# Altium PCB UmTRXv2.PcbDoc (part 4 of 25)
Units mm, origin at the board's own origin, x right, y up, seen from the top; angles counter-clockwise.
Board outline 159.5 x 99.5 mm, 6 copper layers (Top Layer, GND, MidLayer1, Mid-Layer 2, InternalPlane2, Bottom Layer), stack 1.526 mm thick; 708 components, 578 nets, 2802 pads, 1408 vias.
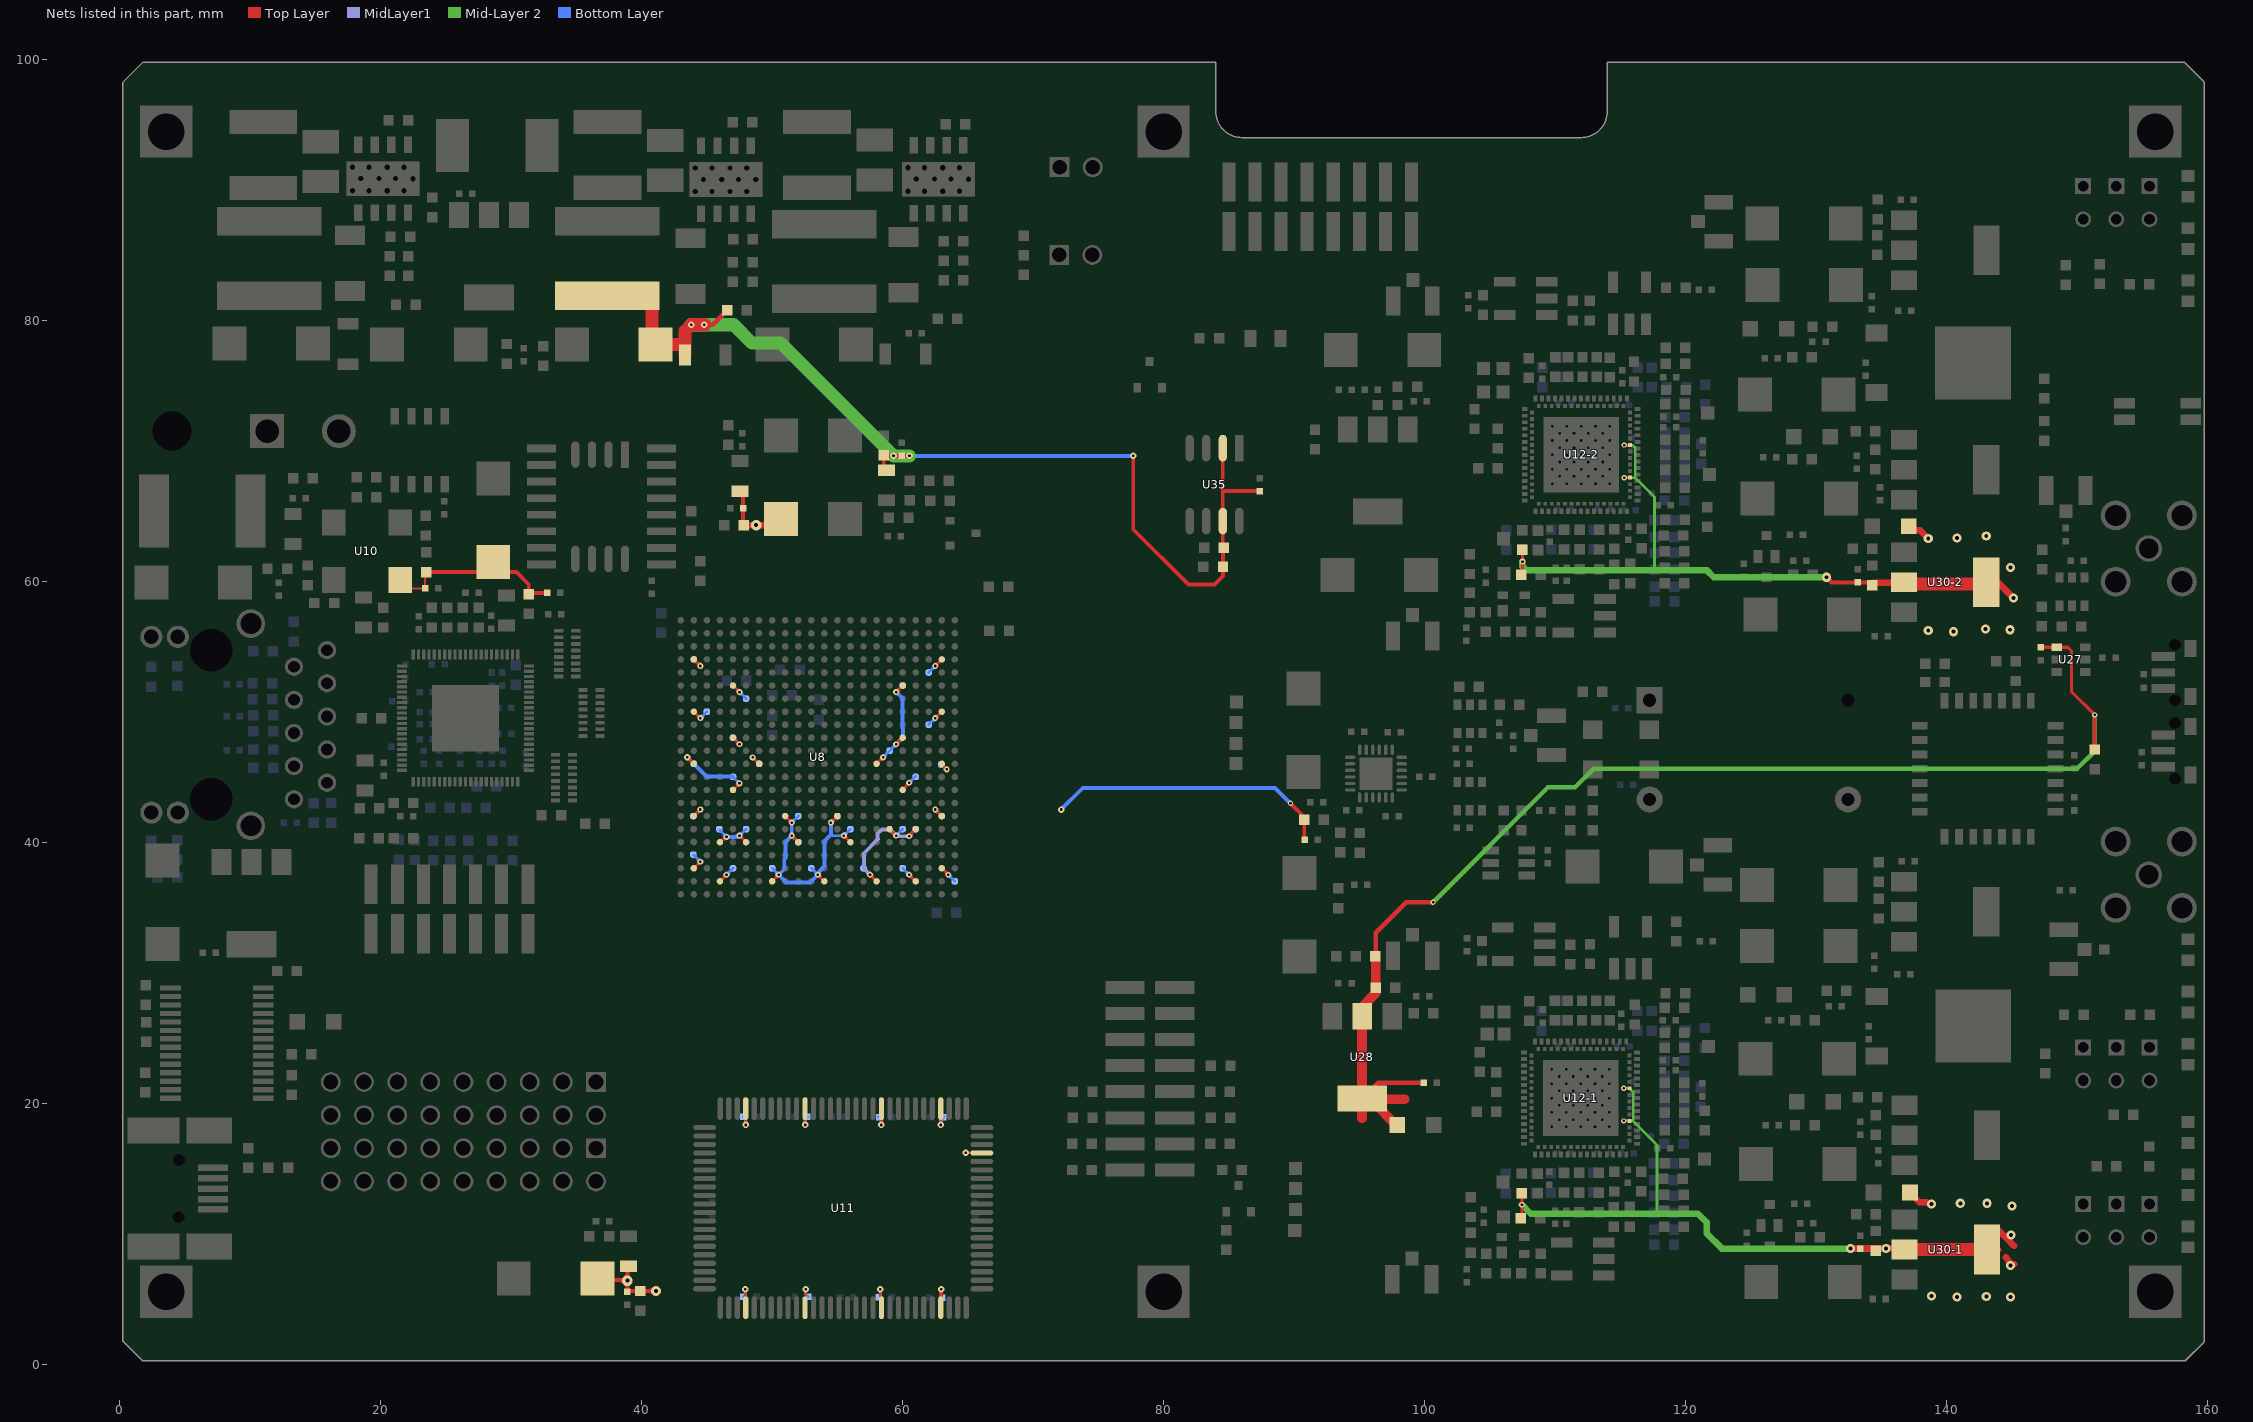
[diagram p8: the nets of this part, all layers, seen from the top]

## Via types
v1: diameter 0.5, hole 0.2, Top Layer to Bottom Layer, tented both sides, 441 vias
v2: diameter 0.45, hole 0.2, Top Layer to Bottom Layer, tented both sides, 429 vias
v3: diameter 0.7, hole 0.3, Top Layer to Bottom Layer, tented both sides, 258 vias
v4: diameter 0.4, hole 0.2, Top Layer to Bottom Layer, tented both sides, 197 vias
v5: diameter 0.8, hole 0.3, Top Layer to Bottom Layer, tented both sides, 61 vias
v6: diameter 0.6, hole 0.25, Top Layer to Bottom Layer, tented both sides, 16 vias
v7: diameter 0.6, hole 0.3, Top Layer to Bottom Layer, tented both sides, 4 vias
v8: diameter 1, hole 0.5, Top Layer to Bottom Layer, tented both sides, 2 vias

## Nets (pads, with @x,y where several pads share a name; then routed paths per layer and width w, separated by ;. In a path a pad name is that pad's centre, name@x,y a point inside that pad or via, vN(x,y) a via of type N, cw(c..) or ccw(c..) an arc to the next point about the centre after c; other vN are vias at no path point) (continued)
+2,5VFPGA: C24.1 C156.1 C162.1 C166.1 C172.2 C175.2 C176.2 C177.2 C178.2 C179.2 C180.2 C181.2 C182.2 C183.2 C184.2 C185.2 C186.2 C187.2 C188.2 C189.2 C190.2 C191.2 C192.2 C193.2 C204.2 C205.2 C206.2 C207.2 C208.2 C209.2 C210.2 C211.2 C212.2 C213.2 L3.2 L41.2 U8.B4 U8.B7 U8.B11 U8.B15 U8.B19 U8.C2 U8.C21 U8.E9 U8.E13 U8.E17 U8.E19 U8.F4 U8.F6 U8.G2 U8.G10 U8.G14 U8.G21 U8.J5 U8.J18 U8.L2 U8.L7 U8.L16 U8.L21 U8.N5 U8.N18 U8.R2 U8.R21 U8.U5 U8.U18 U8.W2 U8.W21 | length 212.8
  Top Layer w0.2: v1(43.5,46.5) U8.L21@44,46 ; U8.C21@44,38 v2(44.5,38.5) ; U8.G21@44,42 v2(44.5,42.5) ; U8.R21@44,50 v2(44.5,49.5) ; U8.W21@44,54 v2(44.5,53.5) ; v2@44.35,38.5 cw(c43.988,38.5) 44.244,38.244 cw(c44.5,37.988) v2@44.5,38.35 ; v2@44.35,42.5 cw(c43.988,42.5) 44.244,42.244 cw(c44.5,41.988) v2@44.5,42.35 ; v2@44.35,49.5 ccw(c43.988,49.5) 44.244,49.756 ccw(c44.5,50.012) v2@44.5,49.65 ; v2@44.35,53.5 ccw(c43.988,53.5) 44.244,53.756 ccw(c44.5,54.012) v2@44.5,53.65 ; U8.B19@46,37 v2(46.5,37.5) ; U8.E19@46,40 v2@46.5,40.5 ; U8.E19@46.073,40.073 cw(c46.5,39.646) v2@46.5,40.25 ; v2@46.35,37.5 cw(c45.988,37.5) 46.244,37.244 cw(c46.5,36.988) v2@46.5,37.35 ; U8.J18@47,44 v2(47.5,44.5) ; U8.N18@47,48 v2(47.5,47.5) ; U8.U18@47,52 v2(47.5,51.5) ; v2@47.35,44.5 cw(c46.988,44.5) 47.244,44.244 cw(c47.5,43.988) v2@47.5,44.35 ; v2@47.35,47.5 ccw(c46.988,47.5) 47.244,47.756 ccw(c47.5,48.012) v2@47.5,47.65 ; v2@47.35,51.5 ccw(c46.988,51.5) 47.244,51.756 ccw(c47.5,52.012) v2@47.5,51.65 ; v2@47.5,40.35 cw(c47.5,39.988) 47.756,40.244 cw(c48.012,40.5) v2@47.65,40.5 ; v2(47.5,40.5) U8.E17@48,40 ; v2@48.5,46.35 cw(c48.5,45.988) 48.756,46.244 cw(c49.012,46.5) v2@48.65,46.5 ; v2(48.5,46.5) U8.L16@49,46 ; v2@48.625,46.5 ccw(c48.927,46.5) 48.713,46.287 ; U8.B15@50,37 v2(50.5,37.5) ; v2@50.35,37.5 cw(c49.988,37.5) 50.244,37.244 cw(c50.5,36.988) v2@50.5,37.35 ; U8.G14@51,42 v2(51.5,41.5) ; v2@51.35,41.5 ccw(c50.988,41.5) 51.244,41.756 ccw(c51.5,42.012) v2@51.5,41.65 ; v2@51.5,40.35 cw(c51.5,39.988) 51.756,40.244 cw(c52.012,40.5) v2@51.65,40.5 ; v2(51.5,40.5) U8.E13@52,40 ; v2@53.5,37.35 cw(c53.5,36.988) 53.756,37.244 cw(c54.012,37.5) v2@53.65,37.5 ; v2(53.5,37.5) U8.B11@54,37 ; v2(54.5,41.5) U8.G10@55,42 ; v2@54.5,41.65 ccw(c54.5,42.012) 54.756,41.756 ccw(c55.012,41.5) v2@54.65,41.5 ; v2@55.5,40.35 cw(c55.5,39.988) 55.756,40.244 cw(c56.012,40.5) v2@55.65,40.5 ; v2(55.5,40.5) U8.E9@56,40 ; v2@57.5,37.35 cw(c57.5,36.988) 57.756,37.244 cw(c58.012,37.5) v2@57.65,37.5 ; v2(57.5,37.5) U8.B7@58,37 ; U8.L7@58,46 v2(58.5,46.5) ; v2@58.35,46.5 cw(c57.988,46.5) 58.244,46.244 cw(c58.5,45.988) v2@58.5,46.35 ; U8.F6@59,41 v2(59.5,40.5) ; v2@59.35,40.5 ccw(c58.988,40.5) 59.244,40.756 ccw(c59.5,41.012) v2@59.5,40.65 ; v2(59.5,47.5) U8.N5@60,48 ; v2@59.5,47.65 ccw(c59.5,48.012) 59.756,47.756 ccw(c60.012,47.5) v2@59.65,47.5 ; v2(59.5,51.5) U8.U5@60,52 ; v2@59.5,51.65 ccw(c59.5,52.012) 59.756,51.756 ccw(c60.012,51.5) v2@59.65,51.5 ; U8.J5@60,44 v2@60.5,44.5 ; 60.209,44.209 ccw(c59.867,44.55) v2@60.35,44.55 ; 60.329,44.329 cw(c60.5,44.158) v2@60.5,44.4 ; v2@60.5,37.35 cw(c60.5,36.988) 60.756,37.244 cw(c61.012,37.5) v2@60.65,37.5 ; v2(60.5,37.5) U8.B4@61,37 ; v2@60.5,40.5 U8.F4@61,41 ; v2@60.5,40.6 ccw(c60.5,40.841) 60.671,40.671 ; v2@60.65,40.45 cw(c61.133,40.45) 60.791,40.791 ; v2@62.5,42.35 cw(c62.5,41.987) 62.756,42.244 cw(c63.011,42.5) v2@62.65,42.5 ; v2(62.5,42.5) U8.G2@63,42 ; v2(62.5,49.5) U8.R2@63,50 ; v2@62.5,49.65 ccw(c62.5,50.012) 62.756,49.756 ccw(c63.012,49.5) v2@62.65,49.5 ; v2(62.5,53.5) U8.W2@63,54 ; v2@62.5,53.65 ccw(c62.5,54.012) 62.756,53.756 ccw(c63.012,53.5) v2@62.65,53.5 ; U8.L2@62.9,46.05 63.373,45.577 v2(63.378,45.577) ; U8.C2@63,38 v2(63.5,37.5) ; v2@63.25,45.55 ccw(c62.888,45.55) 63.144,45.806 ccw(c63.4,46.062) v2@63.4,45.7 ; v2@63.35,37.5 ccw(c62.988,37.5) 63.244,37.756 ccw(c63.5,38.012) v2@63.5,37.65 ; v1@43.5,46.35 cw(c43.5,45.988) 43.756,46.244 ; v1@43.5,46.35 cw(c43.5,45.988) 43.756,46.244 ; v1@43.5,46.35 cw(c43.5,45.988) 43.756,46.244 ; v1@43.5,46.35 cw(c43.5,45.988) 43.756,46.244 cw(c44.012,46.5) v1@43.65,46.5 ; v1@43.5,46.35 cw(c43.5,45.988) 43.756,46.244 ; v1@43.502,46.35 cw(c43.506,46.002) 43.749,46.251 ; v1@43.502,46.35 cw(c43.506,46.002) 43.749,46.251 ; v1@43.501,46.35 cw(c43.504,45.998) 43.756,46.244 ; v1@43.501,46.35 cw(c43.504,45.998) 43.756,46.244 ; v1@43.502,46.35 cw(c43.506,46.002) 43.749,46.251 ; v1@43.502,46.35 cw(c43.506,46.002) 43.749,46.251 ; v1@43.502,46.35 cw(c43.506,46.002) 43.749,46.251 ; v1@43.502,46.35 cw(c43.506,46.002) 43.749,46.251 ; v1@43.501,46.35 cw(c43.504,45.998) 43.756,46.244 ; v1@43.503,46.35 cw(c43.509,46.009) 43.75,46.25 ; v1@43.502,46.35 cw(c43.507,46.005) 43.748,46.252 ; v1@43.502,46.35 cw(c43.507,46.005) 43.748,46.252 ; v1@43.503,46.35 cw(c43.508,46.008) 43.75,46.25 ; v1@43.504,46.35 cw(c43.512,46.018) 43.75,46.25 ; v1@43.504,46.35 cw(c43.512,46.018) 43.75,46.25 ; v1@43.504,46.35 cw(c43.513,46.019) 43.75,46.25 ; v1@43.504,46.35 cw(c43.513,46.019) 43.75,46.25 ; v1@43.504,46.35 cw(c43.512,46.018) 43.75,46.25 ; v1@43.65,46.496 ccw(c43.982,46.488) 43.75,46.25 ; v1@43.65,46.496 ccw(c43.982,46.488) 43.75,46.25 ; v1@43.65,46.496 ccw(c43.981,46.487) 43.75,46.25 ; v1@43.65,46.496 ccw(c43.981,46.487) 43.75,46.25 ; v1@43.65,46.496 ccw(c43.982,46.488) 43.75,46.25 ; v1@43.65,46.499 ccw(c44.002,46.496) 43.756,46.244 ; v1@43.65,46.498 ccw(c43.998,46.494) 43.749,46.251 ; v1@43.65,46.498 ccw(c43.998,46.494) 43.749,46.251 ; v1@43.65,46.498 ccw(c43.998,46.494) 43.749,46.251 ; v1@43.65,46.498 ccw(c43.998,46.494) 43.749,46.251 ; v1@43.65,46.499 ccw(c44.002,46.496) 43.756,46.244 ; v1@43.65,46.498 ccw(c43.995,46.493) 43.748,46.252 ; v1@43.65,46.498 ccw(c43.995,46.493) 43.748,46.252 ; v1@43.65,46.499 ccw(c44.002,46.496) 43.756,46.244 ; v1@43.65,46.498 ccw(c43.998,46.494) 43.749,46.251 ; v1@43.65,46.498 ccw(c43.998,46.494) 43.749,46.251 ; v1@43.65,46.5 ccw(c44.012,46.5) 43.756,46.244 ; v1@43.65,46.5 ccw(c44.012,46.5) 43.756,46.244 ; v1@43.65,46.5 ccw(c44.012,46.5) 43.756,46.244 ; v1@43.65,46.5 ccw(c44.012,46.5) 43.756,46.244 ; 43.75,46.25 cw(c43.992,46.492) 43.65,46.497 ccw(c43.991,46.491) 43.75,46.25 ; 44.287,38.287 cw(c44.5,38.073) 44.5,38.375 ccw(c44.5,38.073) 44.287,38.287 ; 44.287,38.287 ccw(c44.073,38.5) 44.375,38.5 cw(c44.073,38.5) 44.287,38.287 ; 44.287,42.287 cw(c44.5,42.073) 44.5,42.375 ccw(c44.5,42.073) 44.287,42.287 ; 44.287,42.287 ccw(c44.073,42.5) 44.375,42.5 cw(c44.073,42.5) 44.287,42.287 ; 44.287,49.713 cw(c44.073,49.5) 44.375,49.5 ccw(c44.073,49.5) 44.287,49.713 ; 44.287,49.713 ccw(c44.5,49.927) 44.5,49.625 cw(c44.5,49.927) 44.287,49.713 ; 44.287,53.713 cw(c44.073,53.5) 44.375,53.5 ccw(c44.073,53.5) 44.287,53.713 ; 44.287,53.713 ccw(c44.5,53.927) 44.5,53.625 cw(c44.5,53.927) 44.287,53.713 ; 46.287,37.287 cw(c46.5,37.073) 46.5,37.375 ccw(c46.5,37.073) 46.287,37.287 ; 46.287,37.287 ccw(c46.073,37.5) 46.375,37.5 cw(c46.073,37.5) 46.287,37.287 ; 47.287,44.287 cw(c47.5,44.073) 47.5,44.375 ccw(c47.5,44.073) 47.287,44.287 ; 47.287,44.287 ccw(c47.073,44.5) 47.375,44.5 cw(c47.073,44.5) 47.287,44.287 ; 47.287,47.713 cw(c47.073,47.5) 47.375,47.5 ccw(c47.073,47.5) 47.287,47.713 ; 47.287,47.713 ccw(c47.5,47.927) 47.5,47.625 cw(c47.5,47.927) 47.287,47.713 ; 47.287,51.713 cw(c47.073,51.5) 47.375,51.5 ccw(c47.073,51.5) 47.287,51.713 ; 47.287,51.713 ccw(c47.5,51.927) 47.5,51.625 cw(c47.5,51.927) 47.287,51.713 ; 47.713,40.287 cw(c47.927,40.5) 47.625,40.5 ccw(c47.927,40.5) 47.713,40.287 ; 47.713,40.287 ccw(c47.5,40.073) 47.5,40.375 cw(c47.5,40.073) 47.713,40.287 ; 48.713,46.287 ccw(c48.5,46.073) 48.5,46.375 cw(c48.5,46.073) 48.713,46.287 ; 50.287,37.287 cw(c50.5,37.073) 50.5,37.375 ccw(c50.5,37.073) 50.287,37.287 ; 50.287,37.287 ccw(c50.073,37.5) 50.375,37.5 cw(c50.073,37.5) 50.287,37.287 ; 51.287,41.713 cw(c51.073,41.5) 51.375,41.5 ccw(c51.073,41.5) 51.287,41.713 ; 51.287,41.713 ccw(c51.5,41.927) 51.5,41.625 cw(c51.5,41.927) 51.287,41.713 ; 51.713,40.287 cw(c51.927,40.5) 51.625,40.5 ccw(c51.927,40.5) 51.713,40.287 ; 51.713,40.287 ccw(c51.5,40.073) 51.5,40.375 cw(c51.5,40.073) 51.713,40.287 ; 53.713,37.287 cw(c53.927,37.5) 53.625,37.5 ccw(c53.927,37.5) 53.713,37.287 ; 53.713,37.287 ccw(c53.5,37.073) 53.5,37.375 cw(c53.5,37.073) 53.713,37.287 ; 54.713,41.713 cw(c54.5,41.927) 54.5,41.625 ccw(c54.5,41.927) 54.713,41.713 ; 54.713,41.713 ccw(c54.927,41.5) 54.625,41.5 cw(c54.927,41.5) 54.713,41.713 ; 55.713,40.287 cw(c55.927,40.5) 55.625,40.5 ccw(c55.927,40.5) 55.713,40.287 ; 55.713,40.287 ccw(c55.5,40.073) 55.5,40.375 cw(c55.5,40.073) 55.713,40.287 ; 57.713,37.287 cw(c57.927,37.5) 57.625,37.5 ccw(c57.927,37.5) 57.713,37.287 ; 57.713,37.287 ccw(c57.5,37.073) 57.5,37.375 cw(c57.5,37.073) 57.713,37.287 ; 58.287,46.287 cw(c58.5,46.073) 58.5,46.375 ccw(c58.5,46.073) 58.287,46.287 ; 58.287,46.287 ccw(c58.073,46.5) 58.375,46.5 cw(c58.073,46.5) 58.287,46.287 ; 59.287,40.713 cw(c59.073,40.5) 59.375,40.5 ccw(c59.073,40.5) 59.287,40.713 ; 59.287,40.713 ccw(c59.5,40.927) 59.5,40.625 cw(c59.5,40.927) 59.287,40.713 ; 59.713,47.713 cw(c59.5,47.927) 59.5,47.625 ccw(c59.5,47.927) 59.713,47.713 ; 59.713,47.713 ccw(c59.927,47.5) 59.625,47.5 cw(c59.927,47.5) 59.713,47.713 ; 59.713,51.713 cw(c59.5,51.927) 59.5,51.625 ccw(c59.5,51.927) 59.713,51.713 ; 59.713,51.713 ccw(c59.927,51.5) 59.625,51.5 cw(c59.927,51.5) 59.713,51.713 ; 60.713,37.287 cw(c60.927,37.5) 60.625,37.5 ccw(c60.927,37.5) 60.713,37.287 ; 60.713,37.287 ccw(c60.5,37.073) 60.5,37.375 cw(c60.5,37.073) 60.713,37.287 ; 62.713,49.713 cw(c62.5,49.927) 62.5,49.625 ccw(c62.5,49.927) 62.713,49.713 ; 62.713,49.713 ccw(c62.927,49.5) 62.625,49.5 cw(c62.927,49.5) 62.713,49.713 ; 62.713,53.713 cw(c62.5,53.927) 62.5,53.625 ccw(c62.5,53.927) 62.713,53.713 ; 62.713,53.713 ccw(c62.927,53.5) 62.625,53.5 cw(c62.927,53.5) 62.713,53.713 ; 63.187,45.763 cw(c62.973,45.55) 63.275,45.55 ccw(c62.973,45.55) 63.187,45.763 ; 63.187,45.763 ccw(c63.4,45.977) 63.4,45.675 cw(c63.4,45.977) 63.187,45.763 ; 63.287,37.713 cw(c63.073,37.5) 63.375,37.5 ccw(c63.073,37.5) 63.287,37.713 ; 63.287,37.713 ccw(c63.5,37.927) 63.5,37.625 cw(c63.5,37.927) 63.287,37.713 ; U8.E19@46.116,40.116 cw(c46.5,39.732) 46.5,40.275 ccw(c46.5,39.732) U8.E19@46.116,40.116 ; 60.251,44.251 ccw(c59.953,44.55) 60.375,44.55 cw(c59.953,44.55) 60.251,44.251 ; v2@60.625,40.45 cw(c61.047,40.45) 60.749,40.749 ccw(c61.047,40.45) v2@60.625,40.45 ; v2@62.5,42.375 cw(c62.5,42.073) 62.714,42.286 ccw(c62.5,42.073) v2@62.5,42.375 ; v2@62.625,42.5 ccw(c62.926,42.5) 62.713,42.287 cw(c62.926,42.5) v2@62.625,42.5
  Top Layer w0.3: L41.2@47.525,66.9 47.775,66.65 C156.1@47.775,65.6 47.775,64.35 C162.1@47.825,64.3 ; C166.1@50.225,64.3 C166.1@50.675,64.75 ; v4(89.725,42.975) 90.775,41.925 L3.2@90.775,41.7 90.775,40.2 C24.1@90.8,40.175
  Top Layer w0.5: C162.1@47.825,64.3 v5(48.775,64.3) C166.1@50.225,64.3
  MidLayer1 w0.3: v2(57.5,37.5) 57.025,37.975 57.025,39.15 58.102,40.227 58.075,40.253 58.075,40.647 58.403,40.975 59.025,40.975 v2(59.5,40.5) 59.55,40.45 v2(60.5,40.45) ; v1@72.1,42.5 v1(72.15,42.5) ; v2@59.553,40.553 ccw(c59.802,40.802) 59.802,40.45 cw(c59.802,40.802) v2@59.553,40.553
  Bottom Layer w0.2: v1(43.5,46.5) C212.2@44,46 ; C185.2@44,39 v2(44.5,38.5) ; C209.2@44,42 v2(44.5,42.5) ; C186.2@44,54 v2(44.5,53.5) ; v2@44.35,38.5 ccw(c43.988,38.5) 44.244,38.756 ccw(c44.5,39.012) v2@44.5,38.65 ; v2@44.35,42.5 cw(c43.988,42.5) 44.244,42.244 cw(c44.5,41.988) v2@44.5,42.35 ; v2@44.35,53.5 ccw(c43.988,53.5) 44.244,53.756 ccw(c44.5,54.012) v2@44.5,53.65 ; v2(44.5,49.5) C211.2@45,50 ; v2@44.5,49.65 ccw(c44.5,50.012) 44.756,49.756 ccw(c45.012,49.5) v2@44.65,49.5 ; C208.2@46,40.9 v2(46.5,40.4) v2@46.5,40.5 ; v2@46.35,40.4 ccw(c45.988,40.4) 46.244,40.656 ccw(c46.5,40.912) v2@46.5,40.55 ; v2(46.5,37.5) C176.2@47,38 ; v2@46.5,37.65 ccw(c46.5,38.012) 46.756,37.756 ccw(c47.012,37.5) v2@46.65,37.5 ; C210.2@47,45 v2(47.5,44.5) ; C213.2@47,48 v2(47.5,47.5) ; v2@47.35,44.5 ccw(c46.988,44.5) 47.244,44.756 ccw(c47.5,45.012) v2@47.5,44.65 ; v2@47.35,47.5 ccw(c46.988,47.5) 47.244,47.756 ccw(c47.5,48.012) v2@47.5,47.65 ; v2(47.5,40.5) C184.2@48,41 ; v2@47.5,40.65 ccw(c47.5,41.012) 47.756,40.756 ccw(c48.012,40.5) v2@47.65,40.5 ; v2@47.5,51.35 cw(c47.5,50.988) 47.756,51.244 cw(c48.012,51.5) v2@47.65,51.5 ; v2(47.5,51.5) C177.2@48,51 ; v2@48.5,46.35 cw(c48.5,45.988) 48.756,46.244 cw(c49.012,46.5) v2@48.65,46.5 ; v2(48.5,46.5) C172.2@49,46 ; C187.2@50,38 v2(50.5,37.5) ; v2@50.35,37.5 ccw(c49.988,37.5) 50.244,37.756 ccw(c50.5,38.012) v2@50.5,37.65 ; v2@51.5,40.35 cw(c51.5,39.988) 51.756,40.244 cw(c52.012,40.5) v2@51.65,40.5 ; v2(51.5,40.5) C183.2@52,40 ; v2(51.5,41.5) C206.2@52,42 ; v2@51.5,41.65 ccw(c51.5,42.012) 51.756,41.756 ccw(c52.012,41.5) v2@51.65,41.5 ; C188.2@53,38 v2(53.5,37.5) ; v2@53.35,37.5 ccw(c52.988,37.5) 53.244,37.756 ccw(c53.5,38.012) v2@53.5,37.65 ; 54.5,40.575 54.575,40.5 v2(55.5,40.5) C204.2@56,41 ; v2(54.5,41.5) C182.2@55,42 ; v2@54.5,41.65 ccw(c54.5,42.012) 54.756,41.756 ccw(c55.012,41.5) v2@54.65,41.5 ; v2@55.5,40.65 ccw(c55.5,41.012) 55.756,40.756 ccw(c56.012,40.5) v2@55.65,40.5 ; C189.2@57,38 v2(57.5,37.5) ; v2@57.35,37.5 ccw(c56.988,37.5) 57.244,37.756 ccw(c57.5,38.012) v2@57.5,37.65 ; v2(58.5,46.5) C175.2@59,47 v2(59.5,47.5) ; v2@58.5,46.65 ccw(c58.5,47.012) 58.756,46.756 ccw(c59.012,46.5) v2@58.65,46.5 ; v2@59.35,47.5 cw(c58.988,47.5) 59.244,47.244 cw(c59.5,46.988) v2@59.5,47.35 ; v2(59.5,40.5) C193.2@60,41 ; v2@59.5,40.65 ccw(c59.5,41.012) 59.756,40.756 ccw(c60.012,40.5) v2@59.65,40.5 ; v2(59.5,51.5) C178.2@60,52 ; v2@59.5,51.65 ccw(c59.5,52.012) 59.756,51.756 ccw(c60.012,51.5) v2@59.65,51.5 ; C190.2@60,38 v2(60.5,37.5) ; v2@60.35,37.5 ccw(c59.988,37.5) 60.244,37.756 ccw(c60.5,38.012) v2@60.5,37.65 ; v2(60.5,40.45) 60.5,40.5 C181.2@61,41 ; v2@60.5,40.6 ccw(c60.5,40.841) 60.671,40.671 ; v2@60.5,44.5 v2(60.5,44.55) C205.2@61,45.05 ; v2@60.5,44.7 ccw(c60.5,45.062) 60.756,44.806 ccw(c61.012,44.55) v2@60.65,44.55 ; v2@60.65,40.45 cw(c61.133,40.45) 60.791,40.791 ; C192.2@62,49 v2(62.5,49.5) ; C207.2@62,53 v2(62.5,53.5) ; v2@62.35,49.5 cw(c61.988,49.5) 62.244,49.244 cw(c62.5,48.988) v2@62.5,49.35 ; v2@62.35,53.5 cw(c61.988,53.5) 62.244,53.244 cw(c62.5,52.988) v2@62.5,53.35 ; v2@62.5,42.35 cw(c62.5,41.987) 62.756,42.244 cw(c63.011,42.5) v2@62.65,42.5 ; v2(62.5,42.5) C180.2@63,42 ; C179.2@62.9,46.05 63.373,45.577 v2(63.378,45.577) ; v2@63.25,45.55 ccw(c62.888,45.55) 63.144,45.806 ccw(c63.4,46.062) v2@63.4,45.7 ; v2@63.5,37.35 cw(c63.5,36.988) 63.756,37.244 cw(c64.012,37.5) v2@63.65,37.5 ; v2(63.5,37.5) C191.2@64,37 ; v1@43.5,46.35 cw(c43.5,45.988) 43.756,46.244 ; v1@43.5,46.35 cw(c43.5,45.988) 43.756,46.244 ; v1@43.5,46.35 cw(c43.5,45.988) 43.756,46.244 ; v1@43.5,46.35 cw(c43.5,45.988) 43.756,46.244 cw(c44.012,46.5) v1@43.65,46.5 ; v1@43.5,46.35 cw(c43.5,45.988) 43.756,46.244 ; v1@43.502,46.35 cw(c43.506,46.002) 43.749,46.251 ; v1@43.501,46.35 cw(c43.504,45.998) 43.756,46.244 ; v1@43.501,46.35 cw(c43.504,45.998) 43.756,46.244 ; v1@43.502,46.35 cw(c43.506,46.002) 43.749,46.251 ; v1@43.502,46.35 cw(c43.506,46.002) 43.749,46.251 ; v1@43.501,46.35 cw(c43.504,45.998) 43.756,46.244 ; v1@43.65,46.499 ccw(c44.002,46.496) 43.756,46.244 ; v1@43.65,46.498 ccw(c43.998,46.494) 43.749,46.251 ; v1@43.65,46.498 ccw(c43.998,46.494) 43.749,46.251 ; v1@43.65,46.499 ccw(c44.002,46.496) 43.756,46.244 ; v1@43.65,46.499 ccw(c44.002,46.496) 43.756,46.244 ; v1@43.65,46.498 ccw(c43.998,46.494) 43.749,46.251 ; v1@43.65,46.5 ccw(c44.012,46.5) 43.756,46.244 ; v1@43.65,46.5 ccw(c44.012,46.5) 43.756,46.244 ; v1@43.65,46.5 ccw(c44.012,46.5) 43.756,46.244 ; v1@43.65,46.5 ccw(c44.012,46.5) 43.756,46.244 ; 44.287,38.713 cw(c44.073,38.5) 44.375,38.5 ccw(c44.073,38.5) 44.287,38.713 ; 44.287,38.713 ccw(c44.5,38.927) 44.5,38.625 cw(c44.5,38.927) 44.287,38.713 ; 44.287,42.287 cw(c44.5,42.073) 44.5,42.375 ccw(c44.5,42.073) 44.287,42.287 ; 44.287,42.287 ccw(c44.073,42.5) 44.375,42.5 cw(c44.073,42.5) 44.287,42.287 ; 44.287,53.713 cw(c44.073,53.5) 44.375,53.5 ccw(c44.073,53.5) 44.287,53.713 ; 44.287,53.713 ccw(c44.5,53.927) 44.5,53.625 cw(c44.5,53.927) 44.287,53.713 ; 44.713,49.713 cw(c44.5,49.927) 44.5,49.625 ccw(c44.5,49.927) 44.713,49.713 ; 44.713,49.713 ccw(c44.927,49.5) 44.625,49.5 cw(c44.927,49.5) 44.713,49.713 ; 46.286,40.613 cw(c46.073,40.4) 46.375,40.4 ccw(c46.073,40.4) 46.286,40.613 ; 46.286,40.613 ccw(c46.5,40.827) 46.5,40.525 cw(c46.5,40.827) 46.286,40.613 ; 46.713,37.713 cw(c46.5,37.927) 46.5,37.625 ccw(c46.5,37.927) 46.713,37.713 ; 46.713,37.713 ccw(c46.927,37.5) 46.625,37.5 cw(c46.927,37.5) 46.713,37.713 ; 47.287,44.713 cw(c47.073,44.5) 47.375,44.5 ccw(c47.073,44.5) 47.287,44.713 ; 47.287,44.713 ccw(c47.5,44.927) 47.5,44.625 cw(c47.5,44.927) 47.287,44.713 ; 47.287,47.713 cw(c47.073,47.5) 47.375,47.5 ccw(c47.073,47.5) 47.287,47.713 ; 47.287,47.713 ccw(c47.5,47.927) 47.5,47.625 cw(c47.5,47.927) 47.287,47.713 ; 47.713,40.713 cw(c47.5,40.927) 47.5,40.625 ccw(c47.5,40.927) 47.713,40.713 ; 47.713,40.713 ccw(c47.927,40.5) 47.625,40.5 cw(c47.927,40.5) 47.713,40.713 ; 47.713,51.287 cw(c47.927,51.5) 47.625,51.5 ccw(c47.927,51.5) 47.713,51.287 ; 47.713,51.287 ccw(c47.5,51.073) 47.5,51.375 cw(c47.5,51.073) 47.713,51.287 ; 48.713,46.287 cw(c48.927,46.5) 48.625,46.5 ccw(c48.927,46.5) 48.713,46.287 ; 48.713,46.287 ccw(c48.5,46.073) 48.5,46.375 cw(c48.5,46.073) 48.713,46.287 ; 50.287,37.713 cw(c50.073,37.5) 50.375,37.5 ccw(c50.073,37.5) 50.287,37.713 ; 50.287,37.713 ccw(c50.5,37.927) 50.5,37.625 cw(c50.5,37.927) 50.287,37.713 ; 51.713,40.287 cw(c51.927,40.5) 51.625,40.5 ccw(c51.927,40.5) 51.713,40.287 ; 51.713,40.287 ccw(c51.5,40.073) 51.5,40.375 cw(c51.5,40.073) 51.713,40.287 ; 51.713,41.713 cw(c51.5,41.927) 51.5,41.625 ccw(c51.5,41.927) 51.713,41.713 ; 51.713,41.713 ccw(c51.927,41.5) 51.625,41.5 cw(c51.927,41.5) 51.713,41.713 ; 53.287,37.713 cw(c53.073,37.5) 53.375,37.5 ccw(c53.073,37.5) 53.287,37.713 ; 53.287,37.713 ccw(c53.5,37.927) 53.5,37.625 cw(c53.5,37.927) 53.287,37.713 ; 54.713,41.713 cw(c54.5,41.927) 54.5,41.625 ccw(c54.5,41.927) 54.713,41.713 ; 54.713,41.713 ccw(c54.927,41.5) 54.625,41.5 cw(c54.927,41.5) 54.713,41.713 ; 55.198,40.5 cw(c55.198,40.198) 55.412,40.412 ccw(c55.198,40.198) 55.198,40.5 ; 55.198,40.5 ccw(c55.198,40.802) 55.412,40.588 cw(c55.198,40.802) 55.198,40.5 ; 55.713,40.713 cw(c55.5,40.927) 55.5,40.625 ccw(c55.5,40.927) 55.713,40.713 ; 55.713,40.713 ccw(c55.927,40.5) 55.625,40.5 cw(c55.927,40.5) 55.713,40.713 ; 57.287,37.713 cw(c57.073,37.5) 57.375,37.5 ccw(c57.073,37.5) 57.287,37.713 ; 57.287,37.713 ccw(c57.5,37.927) 57.5,37.625 cw(c57.5,37.927) 57.287,37.713 ; 58.713,46.713 cw(c58.5,46.927) 58.5,46.625 ccw(c58.5,46.927) 58.713,46.713 ; 58.713,46.713 ccw(c58.927,46.5) 58.625,46.5 cw(c58.927,46.5) 58.713,46.713 ; 59.287,47.287 cw(c59.5,47.073) 59.5,47.375 ccw(c59.5,47.073) 59.287,47.287 ; 59.287,47.287 ccw(c59.073,47.5) 59.375,47.5 cw(c59.073,47.5) 59.287,47.287 ; 59.713,40.713 cw(c59.5,40.927) 59.5,40.625 ccw(c59.5,40.927) 59.713,40.713 ; 59.713,40.713 ccw(c59.927,40.5) 59.625,40.5 cw(c59.927,40.5) 59.713,40.713 ; 59.713,51.713 cw(c59.5,51.927) 59.5,51.625 ccw(c59.5,51.927) 59.713,51.713 ; 59.713,51.713 ccw(c59.927,51.5) 59.625,51.5 cw(c59.927,51.5) 59.713,51.713 ; 60.287,37.713 cw(c60.073,37.5) 60.375,37.5 ccw(c60.073,37.5) 60.287,37.713 ; 60.287,37.713 ccw(c60.5,37.927) 60.5,37.625 cw(c60.5,37.927) 60.287,37.713 ; 60.713,44.763 cw(c60.5,44.977) 60.5,44.675 ccw(c60.5,44.977) 60.713,44.763 ; 60.713,44.763 ccw(c60.927,44.55) 60.625,44.55 cw(c60.927,44.55) 60.713,44.763 ; 62.287,49.287 cw(c62.5,49.073) 62.5,49.375 ccw(c62.5,49.073) 62.287,49.287 ; 62.287,49.287 ccw(c62.073,49.5) 62.375,49.5 cw(c62.073,49.5) 62.287,49.287 ; 62.287,53.287 cw(c62.5,53.073) 62.5,53.375 ccw(c62.5,53.073) 62.287,53.287 ; 62.287,53.287 ccw(c62.073,53.5) 62.375,53.5 cw(c62.073,53.5) 62.287,53.287 ; 63.187,45.763 cw(c62.973,45.55) 63.275,45.55 ccw(c62.973,45.55) 63.187,45.763 ; 63.187,45.763 ccw(c63.4,45.977) 63.4,45.675 cw(c63.4,45.977) 63.187,45.763 ; 63.713,37.287 cw(c63.927,37.5) 63.625,37.5 ccw(c63.927,37.5) 63.713,37.287 ; 63.713,37.287 ccw(c63.5,37.073) 63.5,37.375 cw(c63.5,37.073) 63.713,37.287 ; v2@60.625,40.45 cw(c61.047,40.45) 60.749,40.749 ccw(c61.047,40.45) v2@60.625,40.45 ; v2@62.5,42.375 cw(c62.5,42.073) 62.714,42.286 ccw(c62.5,42.073) v2@62.5,42.375 ; v2@62.625,42.5 ccw(c62.926,42.5) 62.713,42.287 cw(c62.926,42.5) v2@62.625,42.5
  Bottom Layer w0.3: C212.2@44,46 44.975,45.025 46.975,45.025 C210.2@47,45 ; v2(46.5,40.4) 47.4,40.4 v2(47.5,40.5) ; 47.249,40.439 cw(c47.353,40.259) v2@47.461,40.436 ; v2(51.5,41.5) v2(51.5,40.5) 51.025,40.025 51.025,38.797 50.925,38.697 50.925,37.925 v2(50.5,37.5) 51.1,36.9 52.9,36.9 v2(53.5,37.5) ; v2@53.463,37.565 ccw(c53.248,37.936) 53.662,37.825 ; v2@53.5,37.65 54.025,38.175 54.025,40.1 54.5,40.575 v2(54.5,41.5) ; v2(59.5,47.5) 60.025,48.025 60.025,48.697 59.975,48.747 59.975,51.025 v2(59.5,51.5) ; v1(72.15,42.5) 73.8,44.15 88.55,44.15 v4(89.725,42.975) ; 47.077,40.4 ccw(c47.077,40.923) 47.447,40.553 cw(c47.077,40.923) 47.077,40.4 ; v2@53.575,37.5 cw(c54.118,37.5) 53.734,37.884 ccw(c54.118,37.5) v2@53.575,37.5
+2,5VLMS-1: C65-1.1 C68-1.1 C70-1.1 R99-1.2 R103-1.1 U12-1.66 U12-1.76 U30-1.2 | length 69.9
  Top Layer w0.2: C68-1.1@107.357,11.188 107.461,11.292 v2(107.461,12.208) R103-1.1@107.461,13.108 ; v4(115.257,18.638) U12-1.66@115.707,18.638 ; v4(115.257,21.138) U12-1.76@115.707,21.138 ; v2@107.373,12.12 cw(c107.159,11.906) 107.461,11.906 ; v2@107.373,12.12 cw(c107.159,11.906) 107.461,11.906 ; v2@107.373,12.12 cw(c107.159,11.906) 107.461,11.906 ; v2@107.373,12.297 ccw(c107.159,12.51) 107.461,12.51 ; v2@107.373,12.297 ccw(c107.159,12.51) 107.461,12.51 ; v2@107.373,12.297 ccw(c107.159,12.51) 107.461,12.51 ; 107.461,11.906 cw(c107.763,11.906) v2@107.549,12.12 ; 107.461,11.906 cw(c107.763,11.906) v2@107.549,12.12 ; 107.461,11.906 cw(c107.763,11.906) v2@107.549,12.12 ; 107.461,12.51 ccw(c107.763,12.51) v2@107.549,12.297 ; 107.461,12.51 ccw(c107.763,12.51) v2@107.549,12.297 ; 107.461,12.51 ccw(c107.763,12.51) v2@107.549,12.297
  Top Layer w0.3: C70-1.1@133.4,8.9 R99-1.2@134.308,8.9
  Top Layer w0.5: v3@132.65,8.866 v3(135.35,8.866) 136.705,8.866 U30-1.2@136.79,8.781 ; C65-1.1@137.2,13.1 137.9,12.4 138.35,12.4 ; U30-1.2@143.09,8.781 U30-1.2@143.952,8.781 ; U30-1.2@143.952,10.281 144.644,9.589 145.174,9.059 ; 138.314,12.4 cw(c138.314,11.748) v3@138.775,12.209 ; 138.314,12.4 cw(c138.314,11.748) v3@138.775,12.209 ; 138.314,12.4 cw(c138.314,11.748) v3@138.775,12.209 ; 138.35,12.4 cw(c138.35,11.832) v3@138.772,12.213 ; 138.35,12.4 cw(c138.35,11.832) v3@138.772,12.213 ; 138.35,12.4 cw(c138.35,11.832) v3@138.772,12.213 ; 144.552,8.181 cw(c143.929,7.559) v3@144.81,7.559 ; 144.552,8.181 cw(c143.929,7.559) v3@144.81,7.559 ; 144.552,8.181 cw(c143.929,7.559) v3@144.81,7.559 ; 144.693,7.992 ccw(c145.245,8.14) v3@144.96,7.645 ; 144.693,7.992 ccw(c145.245,8.14) v3@144.96,7.645 ; 144.693,7.992 ccw(c145.245,8.14) v3@144.96,7.645 ; v3@144.785,7.82 ccw(c145.174,8.209) 145.174,7.659 cw(c145.174,8.209) v3@144.785,7.82
  Top Layer w1: U30-1.2@136.79,8.781 U30-1.2@143.09,8.781
  Mid-Layer 2 w0.2: v4(115.257,18.638) 115.962,18.638 115.987,18.613 ; v4(115.257,21.138) 115.26,21.135 115.71,21.135 115.987,20.858 115.987,18.613 ; 117.8,11.53 117.808,11.538 117.808,16.792 115.987,18.613
  Mid-Layer 2 w0.5: v2(107.461,12.208) 108.139,11.53 117.8,11.53 120.945,11.53 121.606,10.869 121.606,10.03 122.786,8.85 v3(132.65,8.85) v3@135.4,8.85
  other v3: 140.795,5.133 144.91,5.133 143.047,5.176 138.846,5.22 144.91,7.559 144.953,9.898 145.025,12.125 138.846,12.28 141.055,12.323 143.09,12.323
+2,5VLMS-2: C65-2.1 C68-2.1 C70-2.1 R99-2.2 R103-2.1 U12-2.66 U12-2.76 U30-2.2 | length 60.7
  Top Layer w0.2: C68-2.1@107.396,60.48 107.5,60.584 v2(107.5,61.5) R103-2.1@107.5,62.4 ; v4(115.296,67.93) U12-2.66@115.746,67.93 ; v4(115.296,70.43) U12-2.76@115.746,70.43 ; v2@107.412,61.412 cw(c107.198,61.198) 107.5,61.198 ; v2@107.412,61.412 cw(c107.198,61.198) 107.5,61.198 ; v2@107.412,61.412 cw(c107.198,61.198) 107.5,61.198 ; v2@107.412,61.588 ccw(c107.198,61.802) 107.5,61.802 ; v2@107.412,61.588 ccw(c107.198,61.802) 107.5,61.802 ; v2@107.412,61.588 ccw(c107.198,61.802) 107.5,61.802 ; 107.5,61.198 cw(c107.802,61.198) v2@107.588,61.412 ; 107.5,61.198 cw(c107.802,61.198) v2@107.588,61.412 ; 107.5,61.198 cw(c107.802,61.198) v2@107.588,61.412 ; 107.5,61.802 ccw(c107.802,61.802) v2@107.588,61.588 ; 107.5,61.802 ccw(c107.802,61.802) v2@107.588,61.588 ; 107.5,61.802 ccw(c107.802,61.802) v2@107.588,61.588
  Top Layer w0.3: v3(130.8,60.3) 131.189,59.911 R99-2.2@134.534,59.911 ; v3@130.8,60.1 cw(c130.8,59.617) 131.141,59.959 ; v3@130.8,60.1 cw(c130.8,59.617) 131.141,59.959 ; v3@130.8,60.1 cw(c130.8,59.617) 131.141,59.959 ; v3@131,60.3 ccw(c131.483,60.3) 131.141,59.959 ; v3@131,60.3 ccw(c131.483,60.3) 131.141,59.959 ; v3@131,60.3 ccw(c131.483,60.3) 131.141,59.959
  Top Layer w0.5: R99-2.2@134.334,59.861 136.455,59.861 U30-2.2@136.54,59.776 ; C65-2.1@137.1,64.2 137.4,63.9 137.971,63.9 v3(138.596,63.275) ; U30-2.2@143.04,59.926 143.902,59.926 v3(145.124,58.704)
  Top Layer w1: U30-2.2@136.54,59.776 U30-2.2@142.84,59.776
  Mid-Layer 2 w0.2: v4(115.296,67.93) 116.119,67.93 116.129,67.94 ; v4(115.296,70.43) 115.945,70.43 116.129,70.246 116.129,67.94 ; 117.646,60.822 117.62,60.848 117.62,66.449 116.129,67.94
  Mid-Layer 2 w0.5: v2(107.5,61.5) 107.5,61.126 107.804,60.822 117.646,60.822 121.645,60.822 122.167,60.3 v3@130.75,60.3
  Mid-Layer 2 w0.7: v3@130.75,60.3 v3(130.8,60.3)
  other v3: 140.545,56.129 138.596,56.215 144.86,56.279 142.997,56.322 144.903,61.043 140.805,63.319 143.04,63.469
+2,5VRAM: C158.1 C164.1 C168.1 C215.2 C216.2 C217.2 C218.2 C219.2 C220.2 C221.2 C222.2 L43.2 U11.4 U11.11 U11.20 U11.27 U11.54 U11.61 U11.70 U11.77 U11.97 | length 42.5
  Top Layer w0.2: v1(47.95,5.75) 47.95,4.35 U11.54@47.975,4.325 ; v1(47.975,18.325) U11.27@47.975,19.575 ; U11.61@52.525,4.325 52.575,4.375 v1(52.575,5.75) ; v1(52.525,18.325) U11.20@52.525,19.575 ; v1(58.275,5.725) 58.275,4.425 U11.70@58.375,4.325 ; v1(58.375,18.325) U11.11@58.375,19.575 ; v1(62.925,18.325) U11.4@62.925,19.575 ; v1(64.825,16.2) U11.97@66.075,16.2 ; v1@47.869,18.431 ccw(c47.613,18.687) 47.975,18.687 ; v1@47.869,18.431 ccw(c47.613,18.687) 47.975,18.687 ; v1@47.869,18.431 ccw(c47.613,18.687) 47.975,18.687 ; 47.975,18.687 ccw(c48.337,18.687) v1@48.081,18.431 ; 47.975,18.687 ccw(c48.337,18.687) v1@48.081,18.431 ; 47.975,18.687 ccw(c48.337,18.687) v1@48.081,18.431 ; v1@52.419,18.431 ccw(c52.163,18.687) 52.525,18.687 ; v1@52.419,18.431 ccw(c52.163,18.687) 52.525,18.687 ; v1@52.419,18.431 ccw(c52.163,18.687) 52.525,18.687 ; 52.525,18.687 ccw(c52.887,18.687) v1@52.631,18.431 ; 52.525,18.687 ccw(c52.887,18.687) v1@52.631,18.431 ; 52.525,18.687 ccw(c52.887,18.687) v1@52.631,18.431 ; v1@58.269,18.431 ccw(c58.013,18.687) 58.375,18.687 ; v1@58.269,18.431 ccw(c58.013,18.687) 58.375,18.687 ; v1@58.269,18.431 ccw(c58.013,18.687) 58.375,18.687 ; 58.375,18.687 ccw(c58.737,18.687) v1@58.481,18.431 ; 58.375,18.687 ccw(c58.737,18.687) v1@58.481,18.431 ; 58.375,18.687 ccw(c58.737,18.687) v1@58.481,18.431
  Top Layer w0.3: C168.1@36.6,6.55 36.7,6.45 v5@38.9,6.45 ; L43.2@39,7.5 38.9,7.4 C158.1@38.9,5.55 38.95,5.6 C164.1@39.9,5.6 40,5.6 v5(41.1,5.6) ; U11.77@62.95,4.5 v1(62.95,5.725) ; v5@38.723,6.223 ccw(c38.176,5.676) 38.176,6.45 cw(c38.176,5.676) v5@38.723,6.223 ; v5@38.723,6.223 cw(c38.296,5.796) C158.1@38.9,5.796 ; v5@38.723,6.223 cw(c38.296,5.796) C158.1@38.9,5.796 ; v5@38.723,6.577 cw(c38.417,6.883) 38.417,6.45 ccw(c38.417,6.883) v5@38.723,6.577 ; v5@38.723,6.577 ccw(c38.296,7.004) 38.9,7.004 ; v5@38.723,6.577 ccw(c38.296,7.004) 38.9,7.004 ; C158.1@38.9,5.796 cw(c39.504,5.796) 39.077,6.223 ccw(c39.504,5.796) C158.1@38.9,5.796 ; 38.9,7.004 ccw(c39.504,7.004) 39.077,6.577 cw(c39.504,7.004) 38.9,7.004 ; 40.496,5.6 cw(c40.496,4.996) v5@40.923,5.423 ; 40.496,5.6 ccw(c40.496,6.204) v5@40.923,5.777 ; 40.496,5.6 ccw(c40.496,6.204) v5@40.923,5.777 ; 40.496,5.6 cw(c40.496,4.996) v5@40.923,5.423 ; 40.496,5.6 ccw(c40.496,6.204) v5@40.923,5.777 ; 40.496,5.6 cw(c40.496,4.996) v5@40.923,5.423
  Bottom Layer w0.2: C219.2@47.8,5.15 47.95,5.3 v1(47.95,5.75) ; C218.2@47.8,18.95 47.975,18.775 v1(47.975,18.325) ; v1(52.525,18.325) 52.525,18.775 C217.2@52.7,18.95 ; v1(52.575,5.75) 52.575,5.325 C220.2@52.75,5.15 ; C216.2@58.15,18.95 58.375,18.725 v1(58.375,18.325) ; C221.2@58.275,5.125 v1(58.275,5.725) ; v1@47.869,18.431 ccw(c47.613,18.687) 47.975,18.687 ; v1@47.869,18.431 ccw(c47.613,18.687) 47.975,18.687 ; v1@47.869,18.431 ccw(c47.613,18.687) 47.975,18.687 ; 47.975,18.687 ccw(c48.337,18.687) v1@48.081,18.431 ; 47.975,18.687 ccw(c48.337,18.687) v1@48.081,18.431 ; 47.975,18.687 ccw(c48.337,18.687) v1@48.081,18.431 ; v1@52.419,18.431 ccw(c52.163,18.687) 52.525,18.687 ; v1@52.419,18.431 ccw(c52.163,18.687) 52.525,18.687 ; v1@52.419,18.431 ccw(c52.163,18.687) 52.525,18.687 ; 52.525,18.687 ccw(c52.887,18.687) v1@52.631,18.431 ; 52.525,18.687 ccw(c52.887,18.687) v1@52.631,18.431 ; 52.525,18.687 ccw(c52.887,18.687) v1@52.631,18.431 ; v1@58.269,18.431 ccw(c58.013,18.687) C216.2@58.375,18.687 ; v1@58.269,18.431 ccw(c58.013,18.687) C216.2@58.375,18.687 ; v1@58.269,18.431 ccw(c58.013,18.687) C216.2@58.375,18.687 ; C216.2@58.375,18.687 ccw(c58.737,18.687) v1@58.481,18.431 ; C216.2@58.375,18.687 ccw(c58.737,18.687) v1@58.481,18.431 ; C216.2@58.375,18.687 ccw(c58.737,18.687) v1@58.481,18.431
  Bottom Layer w0.3: v1(62.925,18.325) 62.925,18.75 C215.2@63.1,18.925 ; C222.2@62.95,5.1 v1(62.95,5.725)
  other v5: 38.9,6.4
+3,3V1: C136.1 C141.1 C147.1 C150.1 C279.1 L36.2 L40.1 R136.1 R173.1 R174.1 U35.2 U35.7 | length 84.6
  Top Layer w0.3: L40.1@58.75,68.5 58.55,68.7 C150.1@58.55,69.65 58.6,69.6 v1(59.3,69.6) C147.1@59.95,69.6 v1(60.525,69.6) ; v1(77.675,69.6) 77.675,63.975 81.9,59.75 83.9,59.75 84.55,60.4 R174.1@84.55,61.1 R173.1@84.55,62.45 ; U35.2@84.535,70.191 84.535,66.9 ; R173.1@84.6,62.55 84.535,62.615 U35.7@84.535,64.603 84.535,66.9 ; C279.1@87.35,66.9 84.535,66.9
  Top Layer w0.35: v1(44.8,79.65) 45.45,79.65 R136.1@46.55,80.75
  Top Layer w1: L36.2@37.375,81.875 40.525,81.875 40.8,81.6 40.8,78.375 C141.1@41.05,78.125 43.275,78.125 ; C136.1@43.325,77.325 43.325,79.175 v1(43.8,79.65) v1(44.8,79.65)
  Mid-Layer 2 w1: v1(43.8,79.65) v1(44.8,79.65) 47.05,79.65 48.45,78.25 50.65,78.25 v1(59.3,69.6) v1(60.525,69.6)
  Bottom Layer w0.3: v1(59.3,69.6) v1(77.675,69.6)
+3,3VCC: C12.1 C13.1 C291.1 L2.2 R3.1 R8.2 U27.1 U28.2 | length 102.8
  Top Layer w0.25: C291.1@147.205,54.938 147.206,54.939 U27.1@148.445,54.939 149.286,54.939 149.575,54.65 149.575,51.525 v4(151.35,49.75) L2.2@151.35,47.1
  Top Layer w0.35: U28.2@95.207,20.354 96.428,21.575 C13.1@99.925,21.575 ; R3.1@96.257,31.25 96.257,33.051 98.603,35.397 v4(100.65,35.397)
  Top Layer w0.75: U28.2@93.75,20.3 U28.2@95.207,20.3 ; 95.207,18.843 U28.2@95.207,20.3 ; R3.1@96.257,31.25 R8.2@96.257,28.854 96.257,28.432 95.207,27.382 U28.2@95.207,26.654 U28.2@95.207,20.354 ; C12.1@98.05,18.1 U28.2@95.85,20.3 ; 98.45,20.3 U28.2@95.85,20.3 ; U28.2@95.207,20.3 U28.2@95.85,20.3 ; U28.2@95.207,20.3 U28.2@95.207,20.354 ; U28.2@95.207,20.354 95.796,20.354 U28.2@95.85,20.3
  Mid-Layer 2 w0.35: v4(100.65,35.397) 109.453,44.2 111.525,44.2 112.95,45.625 150,45.625 151.35,46.975 v4(151.35,49.75)
+3,3VETH: C37.1 C38.1 C39.1 L5.1 R64.2 U10.4 | length 13.9
  Top Layer w0.15: U10.4@21.49,60.1 22.14,59.45 C37.1@23.4,59.45 23.4,60.6 R64.2@23.5,60.7
  Top Layer w0.3: R64.2@23.5,60.7 30.4,60.7 31.35,59.75 L5.1@31.35,59 31.45,59.1 C39.1@32.75,59.1